# KiCad board berlin.kicad_pcb (continued)
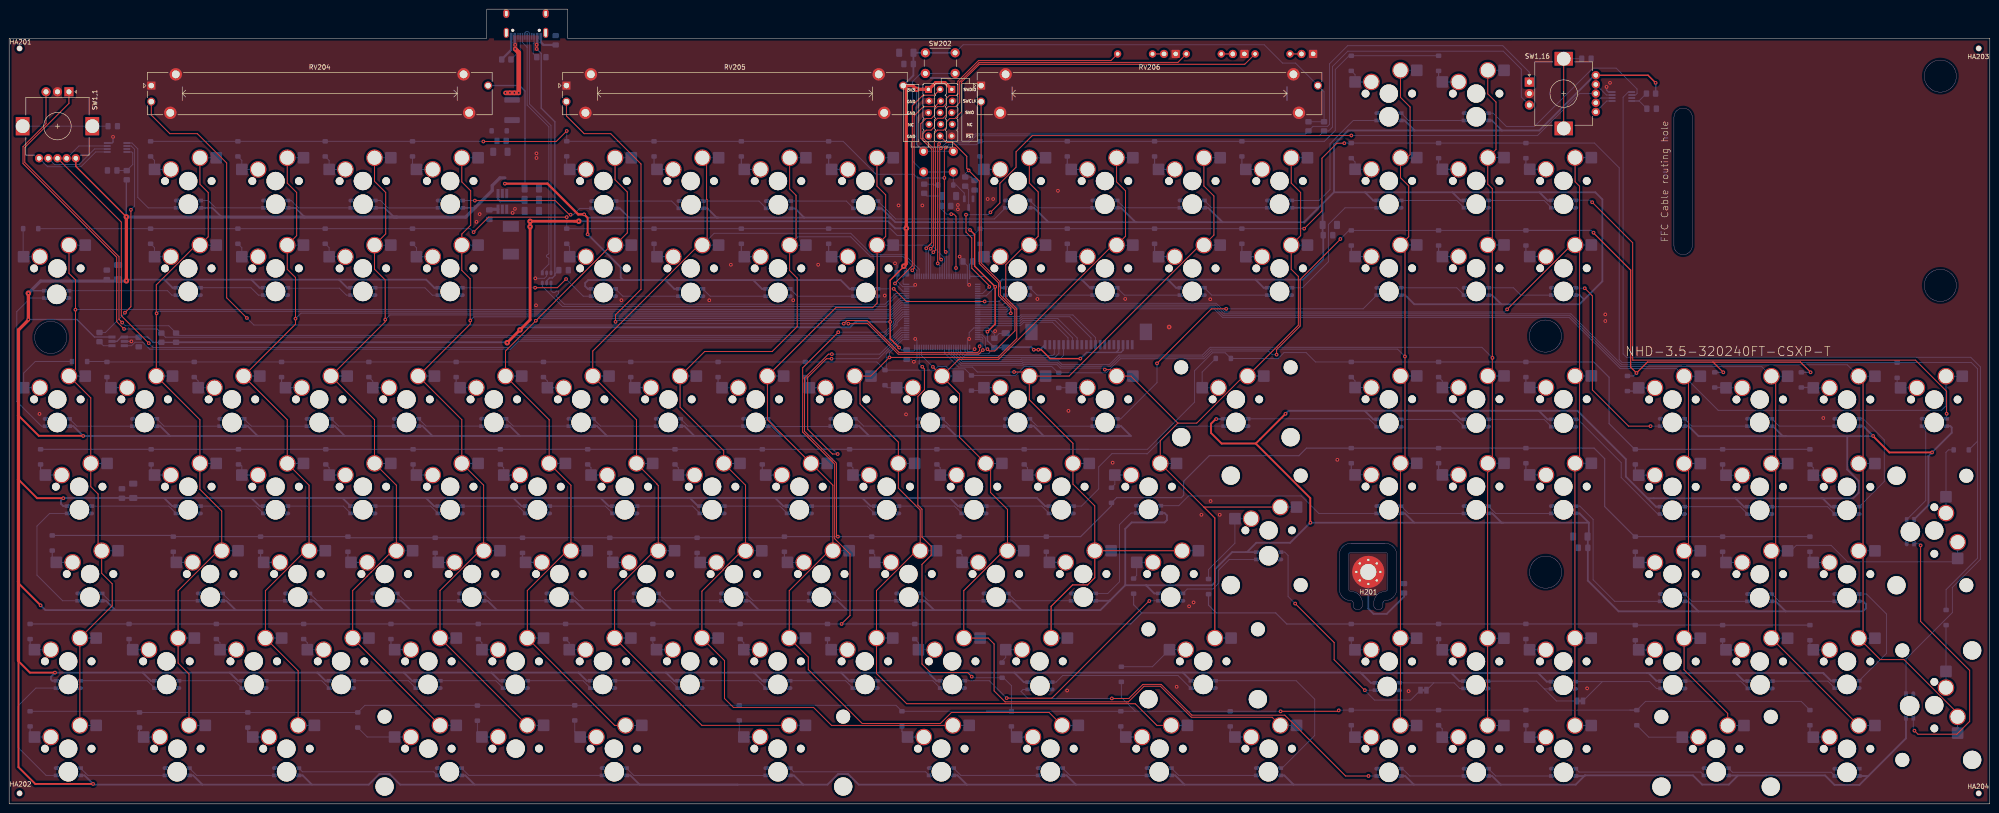
[diagram p0: board, top side]
## Routing (per net, layer and track width the routed paths; a pad name or vN(x,y) marks a point on that pad's centre or on a via; arc(x,y) is an arc through that point) (continued)
  Bottom w0.25: D14.2 28.45,15.46 SW7,2.2 32.89,14.57 ; SW5,19.2 392.94,53.37 D123.2 ; 218.69,16.89 218.69,15.72 SW7,9.2 223.39,14.57 ; 87.66,33.62 SW6,5.2 83.31,34.42 D33.2 ; 397.22,14.54 SW7,18.2 392.94,15.27 D119.2 ; SW4,18.2 373.89,72.42 D116.2 ; 35.27,71.72 SW4,2.2 30.99,72.45 D11.2 ; 316.29,71.75 SW5,15.2 311.91,72.58 311.91,74.3 ; D94.2 292.86,15.34 SW7,14.2 297.21,14.54 ; 297.24,119.38 SW3,14.2 292.86,120.21 D91.2 ; D10.2 21.34,91.63 SW3,2.2 25.75,90.77 ; 247.21,14.57 SW7,10.2 242.57,15.65 242.57,16.89 ; 183.01,119.35 SW2,9.2 178.82,119.98 D55.2 ; D62.2 211.84,120.21 SW2,10.2 216.25,119.35 ; 116.24,52.67 SW5,6.2 112.01,53.34 D38.2 ; 154.34,52.67 150.78,52.67 150.11,53.34 D51.2 ; SW2,16.2 330.96,139.26 D103.2 ; 144.91,138.4 SW1,7.2 140.72,139.03 D41.2 ; 359.12,33.59 SW6,17.2 354.84,34.32 D112.2 ; D97.2 311.91,120.21 SW3,15.2 316.29,119.38 ; 4.57,16.89 4.57,15.53 SW7,1.2 9.08,14.57 ; D48.2 159.77,119.98 SW2,8.2 163.96,119.35 ; D69.2 230.89,120.21 SW2,11.2 ; 330.96,74.3 330.96,72.58 SW5,16.2 335.34,71.75 ; D110.2 354.84,72.42 SW4,17.2 359.12,71.69 ; 235.3,138.4 SW1,11.2 230.89,139.26 D68.2 ; D5.2 9.4,53.56 SW5,1.2 13.84,52.67 ; SW1,12.2 249.94,139.26 D75.2 ; 40.04,52.67 SW5,2.2 35.81,53.34 D12.2 ; D105.2 330.96,91.63 SW4,16.2 ; 230.54,52.67 SW5,12.2 226.31,53.34 D79.2 ; SW1,9.2 178.82,139.03 D54.2 ; D66.2 178.56,34.42 SW6,10.2 ; SW3,6.2 97.54,91.63 D36.2 ; D83.2 268.99,120.21 SW2,13.2 273.4,119.35 ; SW1,8.2 159.77,139.03 D47.2 ; 311.91,159.89 311.91,158.31 312.74,157.48 316.29,157.48 ; 292.86,74.3 292.86,72.58 SW5,14.2 ; 199.58,14.57 SW7,8.2 194.82,15.78 194.82,16.89 ; D42.2 140.72,119.98 SW2,7.2 144.91,119.35 ; D76.2 249.94,120.21 SW2,12.2 254.35,119.35 ; SW5,5.2 92.96,53.34 D32.2 ; D107.2 330.96,15.34 SW7,16.2 335.31,14.54 ; D21.2 52.07,15.65 SW7,3.2 56.71,14.57 ; 3.17,90.59 3.14,90.61 SW3,1.2 6.7,90.77 ; D57.2 164.34,72.45 SW4,9.2 168.62,71.72 ; D61.2 211.84,139.26 SW1,10.2 216.25,138.4 ; 359.12,52.64 SW5,17.2 354.84,53.37 D111.2 ; SW6,15.2 311.91,34.39 D100.2 ; SW4,5.2 88.14,72.45 D31.2 ; SW3,12.2 216.25,90.77 ; SW6,2.2 26.16,34.42 D13.2 ; 266.45,16.89 266.45,15.59 SW7,11.2 271.02,14.57 ; 316.29,138.43 SW2,15.2 311.91,139.26 D96.2 ; D104.2 330.96,120.21 SW3,16.2 335.34,119.38 ; D118.2 373.89,34.32 SW6,18.2 378.17,33.59 ; 63.85,90.77 SW3,4.2 59.44,91.63 D24.2 ; D56.2 154.69,91.63 SW3,9.2 ; D58.2 169.16,53.34 SW5,9.2 ; SW3,11.2 197.2,90.77 ; D4.2 6.86,72.77 SW4,1.2 ; 78.14,52.67 SW5,4.2 73.91,53.34 D26.2 ; SW6,1.2 4.57,34.58 D6.2 ; D82.2 268.99,139.26 SW1,13.2 273.4,138.4 ; D117.2 373.89,53.37 SW5,18.2 378.17,52.64 ; 135.29,52.67 SW5,7.2 131.06,53.34 D45.2 ; 178.15,90.77 SW3,10.2 173.74,91.63 D63.2 ; 59.09,52.67 SW5,3.2 54.86,53.34 D19.2 ; D49.2 135.64,91.63 SW3,8.2 140.05,90.77 ; SW3,17.2 359.12,90.74
  Bottom w0.3: SW3,17.2 354.87,90.04 D109.2 ; D121.2 393.58,90.83 SW3,19.2 ; SW3,18.2 374.53,90.83 D115.2
/C101-Pad1: length 7.9
  Bottom w0.2: LED1,1.8 26.74,142.21 26.97,141.99 26.97,139.47 25.65,138.16 25.64,138.18 23.5,138.18
/C102-Pad1: length 7.9
  Bottom w0.2: 357.24,154.94 355.63,153.33 LED1,16.8 355.68,153.33 357.37,151.64
BOOT0: length 23.9
  Top w0.2: v1(206.61,116.89) 206.61,128.17 206.13,128.64 v1(205.57,128.64)
  Bottom w0.2: R711.1 200.27,132.59 C715.1 203.5,129.65 204.52,128.64 v1(205.57,128.64) ; U501.94 206.58,116.86 v1(206.61,116.89)
BST: length 2
  Bottom w0.6: 104.78,129.4 105.09,129.71
  Bottom w0.7: 105.09,129.71 U702.6
CC1: length 6.4
  Bottom w0.2: 111.53,167.97 111.53,164.4 109.51,162.38
CC2: length 5.5
  Bottom w0.2: R705.2 114.36,163.66 114.36,165.83 114.53,166 114.53,167.97
Chassis: length 18.6
  Bottom w0.4: L711.2 304.37,45.21 300.6,41.44 297.72,41.44 296.57,42.59 H201.1001
Col1: length 316.4
  Top w0.2: 15.43,17.11 15.43,36.16 22.48,43.21 22.48,48.01 20.19,50.29 20.19,55.21 19.4,56.01 19.4,67.59 17.81,69.18 17.81,88.55 13.05,93.31 14.48,94.74 14.48,114.3 13.05,115.73 13.05,121.89
  Bottom w0.2: SW6,1.1 15.43,36.16 ; 20.19,55.21 SW5,1.1 ; U501.69 194.46,110.31 191.99,107.85 14.52,107.85 ; 13.05,93.31 SW3,1.1 ; 15.43,17.11 SW7,1.1 ; SW4,1.1 17.81,74.26 ; 13.05,121.89 SW2,1.1
  vias: v1(14.47,107.79)
Col2: length 330.9
  Top w0.2: 41.62,140.94 41.62,135.16 43.43,133.35 43.43,123.7 41.62,121.89 40.79,121.89 32.1,113.2 32.1,107.06 v1(32.17,106.99) 32.1,106.92 32.1,93.31 41.62,83.79 41.62,68.61 46.39,63.85 46.39,55.21 45.59,55.21 36.86,46.48 36.86,30.7 39.24,28.32 39.24,17.11
  Bottom w0.2: 41.62,140.94 SW1,2.1 ; U501.68 194.52,109.81 192.16,107.45 32.62,107.45 v1(32.17,106.99) ; 36.86,36.16 SW6,2.1 ; 39.24,17.11 SW7,2.1 ; 32.1,93.31 SW3,2.1 ; 41.62,74.26 SW4,2.1 ; 46.39,55.21 SW5,2.1 ; 41.62,121.89 SW2,2.1
Col3: length 303.9
  Top w0.2: 60.67,140.94 60.67,135.41 62.74,133.35 62.74,123.95 60.67,121.89 60.67,116.62 62.48,114.81 v1(62.48,105.84) 62.48,104.65 51.15,93.31 60.67,83.79 60.67,74.26 65.44,69.5 65.44,55.21 64.64,55.21 55.91,46.49 55.91,36.16 63.06,29.02 63.06,17.11
  Bottom w0.2: SW6,3.1 55.91,36.16 ; 60.67,121.89 SW2,3.1 ; U501.67 194.59,109.32 192.32,107.05 63.69,107.05 v1(62.48,105.84) ; SW5,3.1 65.44,55.21 ; 60.67,140.94 SW1,3.1 ; SW3,3.1 51.15,93.31 ; 63.06,17.11 SW7,3.1 ; SW4,3.1 60.67,74.26
Col4: length 290
  Top w0.2: 79.72,140.94 79.72,135.79 82.17,133.35 82.17,124.33 79.72,121.89 79.72,116.62 82.04,114.3 82.04,105.66 v1(82.07,105.64) 82.04,105.62 82.04,105.16 70.2,93.31 79.72,83.79 79.72,74.26 84.49,69.5 84.49,55.21 83.64,55.21 80.24,51.81 80.24,51.8 79.01,50.57 79,50.57 78.07,49.65 78.07,49.63 74.96,46.52 74.96,36.16 94,17.12 94.01,17.12
  Bottom w0.2: U501.66 194.65,108.81 192.49,106.65 83.08,106.65 v1(82.07,105.64) ; SW6,4.1 74.96,36.16 ; 97.11,17.12 93.56,17.12 ; SW4,4.1 79.72,74.26 ; 84.49,55.21 SW5,4.1 ; 79.72,121.89 SW2,4.1 ; 70.2,93.31 SW3,4.1 ; 79.72,140.94 SW1,4.1
Col5: length 270.5
  Top w0.2: 98.77,140.94 98.77,135.67 100.71,133.73 100.71,126.24 98.77,124.3 98.77,116.36 100.58,114.55 100.58,105.47 v1(100.62,105.44) 100.62,104.68 89.25,93.31 98.77,83.79 98.77,74.26 103.54,69.5 103.54,55.21 102.59,55.21 102.59,55.1 94.01,46.52 94.01,36.16 113.04,17.13 113.07,17.13
  Bottom w0.2: 103.54,55.21 SW5,5.1 ; SW4,5.1 98.77,74.26 ; SW3,5.1 89.25,93.31 ; 94.01,36.16 SW6,5.1 ; SW7,5.1 113.07,17.13 ; 98.77,121.89 SW2,5.1 ; v1(100.62,105.44) 101.43,106.25 192.65,106.25 194.72,108.32 U501.65 ; 98.77,140.94 SW1,5.1
Col6: length 263.9
  Top w0.2: 134.49,17.11 132.11,17.11 113.06,36.16 113.06,46.52 121.69,55.15 121.69,55.21 122.59,55.21 122.59,69.5 117.82,74.26 117.82,83.79 108.3,93.31 108.3,98.77 v1(114.92,105.39) 131.41,121.89 132.21,121.89 134.87,124.56 134.87,133.48 132.21,136.14 132.21,140.94
  Bottom w0.2: 122.59,55.21 SW5,6.1 ; 132.21,140.94 SW1,6.1 ; U501.64 194.82,107.81 192.85,105.85 115.38,105.85 v1(114.92,105.39) ; SW3,6.1 108.3,93.31 ; SW4,6.1 117.82,74.26 ; 132.21,121.89 SW2,6.1 ; SW6,6.1 113.06,36.16 ; 134.49,17.11 SW7,6.1
Col7: length 250.5
  Top w0.2: 170.31,17.12 151.16,17.12 132.11,36.16 132.11,46.51 140.81,55.21 141.64,55.21 141.64,69.44 141.35,69.72 141.35,69.79 136.87,74.26 136.87,83.79 127.35,93.31 127.35,98.77 150.46,121.89 151.26,121.89 152.3,122.93 152.3,131.8 152.19,131.91 152.19,140.01 151.26,140.94
  Bottom w0.2: SW6,7.1 132.11,36.16 ; U501.78 198.58,116.63 195.42,119.79 190.23,119.79 188.31,119.79 183.64,124.46 153.83,124.46 151.26,121.89 SW2,7.1 ; 151.26,140.94 SW1,7.1 ; SW4,7.1 136.87,74.26 ; 173.86,17.12 170.31,17.12 ; SW5,7.1 141.64,55.21 ; SW3,7.1 127.35,93.31
Col8: length 261.4
  Top w0.2: 205.93,17.11 179.44,17.11 175.52,21.04 158.03,21.04 156.08,22.99 156.08,31.24 151.16,36.16 151.16,46.39 155.79,51.02 155.79,51.09 159.92,55.21 160.69,55.21 160.69,69.5 155.92,74.26 155.92,76.99 146.4,86.52 146.4,93.31 151.76,98.68 166.5,98.68 171.96,104.14 171.96,114.68 170.31,116.33 170.31,121.89 171.7,123.29 171.7,132.75 170.31,134.15 170.31,140.94
  Bottom w0.2: 146.4,93.31 SW3,8.1 ; 170.31,140.94 SW1,8.1 ; SW7,8.1 205.93,17.11 ; SW6,8.1 151.16,36.16 ; SW2,8.1 170.31,121.89 172.12,123.7 183.64,123.7 187.95,119.39 190.39,119.39 190.39,119.39 195.06,119.39 198.08,116.37 U501.77 ; SW4,8.1 155.92,74.26 ; 164.24,55.21 160.69,55.21
Col9: length 243.6
  Top w0.2: 189.36,140.94 189.36,134.75 191.26,132.84 191.26,123.79 189.36,121.89 189.39,121.85 189.39,109.22 188.42,108.24 180.38,108.24 165.45,93.31 165.45,83.79 174.97,74.26 174.99,74.26 179.74,69.51 179.74,55.21 178.94,55.21 170.21,46.49 170.21,36.16 174.37,32 174.37,29.29 186.15,17.51 203.19,17.51 205.6,19.92 226.94,19.92 229.74,17.11
  Bottom w0.2: SW3,9.1 165.45,93.31 ; 174.97,74.26 SW4,9.1 ; SW6,9.1 170.21,36.16 ; 229.74,17.11 SW7,9.1 ; SW5,9.1 179.74,55.21 ; 189.36,121.89 SW2,9.1 201.27,121.89 204.08,119.08 U501.89 ; 189.36,140.94 SW1,9.1
Col10: length 258.5
  Top w0.2: 253.56,17.11 250.44,17.11 245.72,21.84 195.84,21.84 189.26,28.42 189.26,46.52 197.94,55.2 197.94,55.21 198.79,55.21 198.79,64.1 194.02,68.87 194.02,78.9 185.67,87.26 185.67,92.15 184.5,93.31 187.98,93.31 192.05,97.38 v1(192.09,97.38) 215.74,97.38 219.87,101.51 219.87,107.99 217.47,110.39 217.47,117.6 221.76,121.89 222.6,121.89 224.54,123.82 224.54,133.48 222.6,135.41 222.6,140.94
  Bottom w0.2: 253.56,17.11 SW7,10.1 ; U501.51 195,101.31 192.09,98.4 v1(192.09,97.38) ; 222.6,121.89 SW2,10.1 ; SW5,10.1 198.79,55.21 ; SW4,10.1 194.02,74.26 ; 184.5,93.31 SW3,10.1 ; 222.6,140.94 SW1,10.1 ; SW6,10.1 189.26,36.16
Col11: length 256.9
  Top w0.2: v1(201.57,95.31) 201.57,95.3 203.55,93.31 ; 203.55,93.31 203.55,93.25 207.37,89.43 207.37,79.97 214.17,73.17 214.17,67.9 217.84,64.23 217.84,55.21 217.02,55.21 208.31,46.51 208.31,36.16 213.63,36.16 214.92,34.88 214.92,24.64 217.32,22.24 244.22,22.24 247.63,25.65 251.21,25.65 257.97,18.89 275.59,18.89 277.37,17.11 ; 203.55,93.31 207.22,96.98 215.91,96.98 240.81,121.89 241.65,121.89 243.59,123.82 243.59,133.73 241.65,135.67 241.65,140.94
  Bottom w0.2: 277.37,17.11 SW7,11.1 ; 203.55,93.31 SW3,11.1 ; 241.65,121.89 SW2,11.1 ; SW6,11.1 208.31,36.16 ; 241.65,140.94 SW1,11.1 ; SW4,11.1 213.07,74.26 ; SW5,11.1 217.84,55.21 ; U501.47 199.08,97.8 v1(201.57,95.31)
Col12: length 205.7
  Top w0.2: 222.6,93.31 222.6,88.17 232.12,78.64 232.12,69.75 236.89,64.99 236.89,55.21 255.94,55.21 ; 222.6,93.31 231.29,93.31 259.56,121.59 259.56,121.89 260.7,121.89 262.89,124.08 262.89,132.59 260.7,134.78 260.7,140.94 ; 222.6,93.31 221.72,94.2 219.29,94.2 v1(219.28,94.21)
  Top w0.25: 227.36,36.16 227.36,43.09 232.04,47.76 235.33,47.76 236.89,49.32 236.89,55.21
  Bottom w0.2: v1(219.28,94.21) 211.25,94.21 210.18,95.28 207.15,95.28 204.08,98.36 U501.37 ; 222.6,93.31 SW3,12.1 ; SW7,12.1 227.36,36.16 ; 232.12,74.26 SW4,12.1 ; 260.7,140.94 SW1,12.1 ; 236.89,55.21 SW5,12.1 ; 260.7,121.89 SW2,12.1 ; 255.94,55.21 SW6,12.1
Col13: length 226.6
  Top w0.2: 279.75,140.94 279.75,135.41 281.81,133.35 281.81,123.95 279.75,121.89 279.75,116.62 281.31,115.06 281.31,104.39 270.22,93.31 269.39,93.31 259.13,83.06 255.02,83.06 ; 255.02,83.06 244.76,93.31 241.65,93.31 240.23,94.73 v1(239.09,94.73) ; 255.02,83.06 251.17,79.22 251.17,74.26 260.7,64.74 277.37,64.74
  Top w0.25: 263.08,36.16 263.08,62.36 260.7,64.74
  Bottom w0.2: SW3,13.1 241.65,93.31 ; 279.75,140.94 SW1,13.1 ; 277.37,64.74 SW6,13.1 ; 279.75,121.89 SW2,13.1 ; 270.22,93.31 SW4,13.1 ; 251.17,74.26 SW5,13.1 ; v1(239.09,94.73) 238.77,95.05 229.39,95.05 228.63,95.81 221.36,95.81 221.23,95.68 207.67,95.68 205.08,98.27 U501.35 ; SW7,13.1 263.08,36.16
Col14: length 277.3
  Top w0.2: 303.59,160.02 303.59,154.11 305.69,152.02 305.69,141.6 305.05,140.97 303.59,140.97 303.59,136.59 305.39,134.79 305.39,123.72 303.59,121.92 304.58,120.93 304.58,97.6 v1(304.57,97.59) 304.58,97.58 304.58,94.33 303.59,93.34 304.58,92.36 304.58,75.28 303.58,74.28 303.58,17.1 303.56,17.08
  Bottom w0.2: 303.56,17.08 SW7,14.1 ; 307.14,36.17 303.61,36.17 ; U501.34 205.58,98.34 207.84,96.08 221.06,96.08 221.19,96.21 228.8,96.21 229.56,95.45 240.26,95.45 242.3,97.5 260.54,97.5 262.24,99.19 302.97,99.19 v1(304.57,97.59) ; 303.59,121.92 SW3,14.1 ; SW4,14.1 303.59,93.34 ; 307.15,160.02 303.59,160.02 ; SW5,14.1 303.59,74.29 ; 307.24,140.89 303.69,140.89
Col15: length 292.3
  Top w0.2: 322.64,160.02 322.64,154.88 324.44,153.08 324.44,142.77 322.64,140.97 322.64,135.19 323.63,134.21 323.63,122.91 322.64,121.92 323.63,120.93 323.63,97.33 v1(323.67,97.29) 323.63,97.25 323.63,94.33 322.64,93.34 323.63,92.36 323.63,75.28 ; 322.61,17.08 322.61,72.29 323.63,73.31
  Bottom w0.2: 322.64,140.97 SW2,15.1 ; SW4,15.1 322.64,93.34 ; v1(323.67,97.29) 321.37,99.59 262.07,99.59 260.38,97.89 242.13,97.89 240.09,95.85 229.72,95.85 228.96,96.61 221.03,96.61 220.9,96.48 208,96.48 206.08,98.4 U501.33 ; 322.61,36.13 SW6,15.1 ; 322.64,74.29 SW5,15.1 ; SW7,15.1 322.61,17.08 ; 322.64,160.02 326.2,160.02 ; 322.64,121.92 SW3,15.1
Col16: length 285.1
  Top w0.2: 341.69,121.92 342.68,120.93 342.68,94.33 341.69,93.34 342.68,92.36 342.68,75.28 341.66,74.26 341.66,17.08 ; 341.69,121.92 340.91,121.92 v1(326.86,107.87) ; 341.69,121.92 342.68,122.91 342.68,134.71 341.69,135.7 341.69,140.97
  Bottom w0.2: U501.10 216.72,108.81 217.1,109.19 263.38,109.19 265.28,107.29 326.28,107.29 v1(326.86,107.87) ; 341.69,121.92 SW3,16.1 ; 341.69,74.29 SW5,16.1 ; 341.66,17.08 SW7,16.1 ; SW4,16.1 341.69,93.34 ; 341.69,140.97 SW2,16.1 ; SW6,16.1 341.66,36.14
Col17: length 331.5
  Top w0.2: 365.47,93.28 366.43,92.33 366.43,75.19 365.47,74.23 366.43,73.28 366.43,56.14 365.47,55.18 366.43,54.23 366.43,37.09 365.47,36.13 365.47,29.24 375,19.72 375,17.08
  Bottom w0.2: 365.47,93.28 372.92,85.84 421.63,85.84 422.62,86.83 422.62,93.28 SW2,17.1 ; 365.47,93.28 SW3,17.1 ; 365.47,93.28 363.81,94.95 351.55,94.95 340.41,106.09 264.78,106.09 262.88,107.99 218.37,107.99 217.69,107.31 U501.13 ; 365.47,55.18 SW5,17.1 ; SW7,17.1 375,17.08 ; 365.47,74.23 SW4,17.1 ; 365.47,36.13 SW6,17.1
Col18: length 326.9
  Top w0.2: 403.57,17.08 384.52,36.13 385.48,37.09 385.48,54.23 384.52,55.18 385.48,56.14 385.48,73.28 384.52,74.23 385.48,75.19 385.48,92.33 384.52,93.28
  Bottom w0.2: 384.52,55.18 SW5,18.1 388.76,55.18 389.97,56.39 397.57,56.39 401.17,52.79 424.42,52.79 SW2,18.1 425.16,57.09 ; 403.57,17.08 SW7,18.1 ; 384.52,74.23 SW4,18.1 ; 384.52,36.13 SW6,18.1 ; U501.12 217.63,107.82 218.2,108.39 263.05,108.39 264.95,106.49 340.57,106.49 351.68,95.38 382.42,95.38 384.52,93.28 SW3,18.1
Col19: length 305.3
  Top w0.2: 425.16,18.99 425.16,19.77 413.47,31.46 408.3,31.46 404.97,34.79 404.92,34.79 403.57,36.13 404.53,37.09 404.53,54.23 403.57,55.18 404.53,56.14 404.53,73.28 403.57,74.23 404.53,75.19 404.53,92.33 403.57,93.28
  Bottom w0.2: SW4,19.1 403.57,74.23 ; SW3,19.1 403.57,93.28 401.08,95.78 351.89,95.78 340.78,106.89 265.11,106.89 263.21,108.79 218.04,108.79 217.56,108.32 U501.11 ; 403.57,55.18 SW5,19.1 ; 425.16,18.99 SW2,19.1 ; SW6,19.1 403.57,36.13
D+: length 83
  Bottom w0.2: U701.4 118.23,111.96 118.66,111.53 119.06,111.53 119.37,111.84 119.87,111.84 119.87,111.24 119.45,110.83 119.45,110.69 121.15,108.99 191.13,108.99 193.45,111.31 U501.71
D-: length 83
  Bottom w0.2: U501.70 193.63,110.82 191.29,108.48 120.75,108.48 116.33,112.89 116.33,113.62
Dbus+: length 55.7
  Bottom w0.2: U701.3 118.23,147.96 113.53,152.67 113.53,168.17 113.26,168.44 112.79,168.44 112.52,168.17 112.52,167.97
Dbus-: length 58.6
  Bottom w0.2: 116.33,115.82 116.33,116.31 117.77,117.74 117.77,118.94 arc(117.69,119.12) 117.51,119.2 arc(117.32,119.28) 117.25,119.46 117.25,119.54 arc(117.32,119.72) 117.51,119.8 arc(117.69,119.88) 117.77,120.06 117.77,147.69 113.03,152.43 113.03,165.04 112.03,166.04 112.03,167.97 ; 113.03,167.97 113.03,165.04
Interrupt1,1: length 216.1
  Top w0.2: SW1,1.SW 24.47,126.91 24.47,106.49 v1(30.47,100.49)
  Bottom w0.2: U501.56 194.56,103.81 192.09,101.34 110.99,101.34 109.22,99.57 31.39,99.57 v1(30.47,100.49)
Interrupt1,16: length 173.8
  Top w0.2: v1(214.12,129.03) 216.18,131.09 216.18,135.36 219.71,138.89 219.71,142.24 223.27,145.8 v1(292.86,145.8) ; v1(208.79,128.52) 208.79,124.71 210.06,123.44 210.06,116.84 213.87,113.03 v1(213.87,112.78)
  Bottom w0.2: v1(208.79,128.52) 213.61,128.52 v1(214.12,129.03) ; v1(292.86,145.8) 333.5,145.8 342.65,154.94 SW1,16.SW ; v1(213.87,112.78) 212.41,111.31 U501.5
LCD-CS: length 22.9
  Bottom w0.2: U501.19 220.68,104.32 221.43,105.06 227.66,105.06 231.06,101.66 J203.6
LCD-INT: length 24
  Bottom w0.2: U501.18 220.62,104.81 221.26,105.46 228.23,105.46 232.06,101.63 J203.7
LCD-PD: length 25.2
  Bottom w0.2: U501.17 220.55,105.32 221.1,105.86 228.83,105.86 233.06,101.63 J203.8
LCD-SPI2: length 28.3
  Bottom w0.2: J203.11 236.06,101.65 231.45,106.26 220.93,106.26 220.49,105.81 U501.16
LCD-SPI3: length 29.5
  Bottom w0.2: J203.12 237.06,101.7 232.1,106.66 220.76,106.66 220.42,106.31 U501.15
NRST: length 57.3
  Top w0.2: J202.10 204.51,144.32 205.89,144.32 208.97,141.24 208.97,138.59 v1(209.37,138.19) 211.68,135.87 211.68,117.84 215.87,113.65 215.87,110.86 218.57,108.16 v1(218.57,107.01)
  Bottom w0.2: v1(209.37,138.19) 208.62,137.44 R703.1 209.9,136.74 C711.1 ; v1(218.57,107.01) 218.06,107.01 217.86,106.82 U501.14
RGBLED: length 173.4
  Bottom w0.2: U501.55 194.63,103.31 192.25,100.94 111.16,100.94 109.39,99.17 30.69,99.17 29.17,100.69 27.47,100.69 26.71,99.94 25.13,99.94
Row1: length 331.8
  Top w0.2: v1(103.47,144.49) 119.37,144.49 v1(121.67,146.79) ; v1(204.37,120.39) 204.07,120.69 v1(204.07,136.54) 204.07,142.85 v1(204.39,143.18)
  Bottom w0.2: D8.1 D15.1 D22.1 D28.1 103.43,144.52 v1(103.47,144.49) ; v1(204.07,136.54) 198.2,136.54 197.4,137.34 189.17,137.34 181.98,144.52 D54.1 D47.1 D41.1 140.7,144.54 D34.1 v1(121.67,146.79) ; D95.1 D89.1 292.37,163.19 289.37,160.19 289.37,146.89 287,144.52 D82.1 D75.1 D68.1 D61.1 211.1,143.79 205.01,143.79 v1(204.39,143.18) ; v1(204.37,120.39) 204.58,120.17 U501.90
Row2: length 555
  Top w0.2: v1(291.34,144.12) 289.74,144.12 286.46,140.84 286.46,129.36 v1(282.57,125.47) ; v1(101.35,124.71) 104.62,127.99 v1(121.67,127.99)
  Bottom w0.2: 429.51,79.12 429.51,94.91 428.14,96.29 351.95,96.29 351.33,96.91 351.33,138.74 345.92,144.14 D103.1 D96.1 D90.1 291.36,144.14 v1(291.34,144.12) ; 429.51,79.12 429.51,53.59 422.66,46.74 D120.1 ; 429.51,79.12 D114.1 ; v1(121.67,127.99) D35.1 D42.1 D48.1 D55.1 178.83,125.49 192.27,125.49 193.77,123.99 205.08,123.99 ; D2.1 30.86,125.48 D9.1 D16.1 D23.1 D29.1 100.59,125.47 v1(101.35,124.71) ; 205.08,123.99 205.08,123.98 U501.91 ; 205.08,123.99 210.35,123.99 D62.1 D69.1 D76.1 D83.1 v1(282.57,125.47)
Row3: length 445.9
  Top w0.2: v1(276.57,97.99) 276.57,99.09 281.7,104.23 281.7,114.39 290.47,123.16 v1(290.47,123.22)
  Top w0.25: 371.81,96.36 v1(374.04,94.13) ; 371.81,96.36 390.86,96.36 v1(393.09,94.13) ; 371.81,96.36 357.48,96.36 v1(355.09,93.98) 353.82,95.25 353.82,116.43 345.72,124.54 v1(345.72,124.6)
  Bottom w0.2: D3.1 21.24,96.49 D10.1 D17.1 D24.1 D30.1 D36.1 D43.1 D49.1 D56.1 D63.1 189.33,96.39 D70.1 ; 292.86,125.09 292.74,124.97 292.23,124.97 v1(290.47,123.22) ; 292.86,125.09 330.96,125.09 ; 292.86,125.09 292.86,124.97 ; U501.52 194.93,101.82 191.39,98.27 191.39,97.38 191.39,97.38 191.39,94.89 D70.1 ; D70.1 201.88,94.61 202.68,95.41 204.44,95.41 204.97,94.88 208.54,94.88 D77.1 219.56,93.45 221.52,95.41 227.5,95.41 228.88,94.03 239.4,94.03 242.46,97.1 260.71,97.1 262.4,98.79 274.79,98.79 275.59,97.99 v1(276.57,97.99)
  Bottom w0.25: 330.96,125.09 345.22,125.09 v1(345.72,124.6) ; D109.1 354.46,93.34 v1(355.09,93.98)
  Bottom w0.3: D121.1 v1(393.09,94.13) ; D115.1 v1(374.04,94.13)
Row4: length 464.9
  Top w0.2: v1(179.45,97.1) 178.33,97.1 174.24,93.01 174.24,81.71 179.65,76.31 v1(180.8,76.31)
  Bottom w0.2: 176.35,77.34 179.76,77.34 v1(180.8,76.31) ; v1(179.45,97.1) 189.65,97.1 194.87,102.31 U501.53 ; D92.1 285.05,96.39 283.01,98.44 278.19,98.44 276.91,97.16 D85.1 265.36,98.39 262.57,98.39 258.67,94.49 258.67,87.63 248.38,77.34 235.44,77.34
  Bottom w0.25: 235.44,77.34 6.86,77.34 ; D92.1 D98.1 D105.1 345.76,96.39 349.12,93.04 349.12,82.94 354.71,77.34 392.94,77.34
Row5: length 472.1
  Top w0.2: v1(180.84,58.29) 180.54,58.59 180.54,74.28 173.55,81.27 173.55,92.89 178.76,98.1 v1(179.51,98.1)
  Bottom w0.2: U501.54 194.69,102.81 189.97,98.1 v1(179.51,98.1)
  Bottom w0.25: D5.1 35.56,58.55 D12.1 D19.1 D26.1 74.17,58.04 D32.1 D38.1 D45.1 D51.1 168.91,58.04 D58.1 v1(180.83,58.29) D65.1 D72.1 D79.1 233.81,58.29 240.54,65.02 240.54,65.66 241.67,66.79 255.77,66.79 256.29,67.31 256.29,70.36 261.88,75.95 281.44,75.95 283.08,77.6 D93.1 D99.1 D106.1 345.84,77.6 348.15,75.29 348.15,64.86 354.71,58.29 D111.1 D117.1 D123.1
Row6: length 489.1
  Top w0.2: v1(181.63,39.24) 183.48,41.09 183.48,54.49 180.14,57.84 180.14,74.12 173.15,81.1 173.15,95.13 v1(180.92,102.89)
  Bottom w0.2: v1(180.92,102.89) 191.07,102.89 192.94,104.77 192.94,105.28 194.98,107.31 U501.63
  Bottom w0.25: D6.1 D13.1 D20.1 D27.1 D33.1 D39.1 D46.1 D52.1 D59.1 D66.1 v1(181.63,39.24) D73.1 244.73,39.24 247.14,41.66 ; D124.1 D118.1 D112.1 354.58,39.24 D100.1 311.9,39.23 278.78,39.23 276.35,41.66 263.4,41.66 ; 247.14,41.66 245.36,43.43 D80.1 ; 247.14,41.66 263.4,41.66 ; 263.4,41.66 261.71,43.35 D87.1
Row7: length 505.1
  Top w0.2: v1(290.13,20.39) 289.93,20.19 277.45,20.19 v1(277.44,20.18) ; v1(199.25,95.35) 199.71,94.89 199.71,90.31 198.29,88.89 198.29,65.17 199.19,64.27 199.19,58.2 201.2,56.19 201.2,54.25 199.19,52.24 199.19,30.5 201.04,28.65 209.14,28.65 v1(210.04,27.75)
  Bottom w0.2: D60.1 213.23,20.19 ; D60.1 218.69,25.78 216.98,27.5 210.29,27.5 v1(210.04,27.75) ; D60.1 D67.1 245.75,20.19 ; D60.1 213.23,20.19 ; 213.23,20.19 D53.1 193.52,21.49 77.62,21.49 76.07,19.94 D21.1 D14.1 28.19,20.19 D7.1 ; v1(290.13,20.39) 290.18,20.45 D94.1 D101.1 D107.1 353.69,20.45 ; U501.48 198.58,96.01 v1(199.25,95.35) ; D119.1 391.03,22.35 357.08,22.35 355.17,20.45 353.69,20.45 ; 245.75,20.19 242.69,23.25 D88.1 ; 245.75,20.19 D74.1 277.42,20.19 v1(277.44,20.18) ; 355.09,20.45 353.69,20.45
SWCLK: length 42.4
  Top w0.2: v1(197.07,116.39) 197.47,116.79 197.47,150.08 199.47,152.09 201.97,152.09 203.12,153.25 203.12,153.33
  Bottom w0.2: v1(197.07,116.39) 197.58,115.88 U501.76
SWDIO: length 51.1
  Top w0.2: v1(193.29,113.52) 193.29,113.61 197.07,117.38 197.07,152.26 199.4,154.59 201.87,154.59 J202.2
  Bottom w0.2: U501.72 195.03,111.82 193.33,113.52 v1(193.29,113.52)

## Copper pours and planes (outline as drawn; the poured copper is in the pictures)
+3V3 on Bottom: 113.79,134.87 113.79,128.52 114.68,127.63 114.68,121.41 111.63,118.36 107.7,118.36 107.31,118.74 107.31,121.03 107.7,121.41 111.25,121.41 112.27,122.3 112.27,127.25 111.38,128.14 111.38,134.87 112.01,135.51 113.16,135.51
+5V on Bottom: 112.01,149.73 112.01,147.57 111,146.56 111,141.65 109.98,140.69 109.98,132.33 109.73,132.1 107.29,132.1 107.14,132.21 107.14,135.79 107.44,136.09 107.44,149.73 108.2,150.49 111.25,150.49
GND on Top, Bottom: 120.22,166.98 432.18,167 432.18,0 0,0 0,167 105.79,167 105.79,166.55 120.22,166.55
VBUS on Top, Bottom: 115.52,164.26 114.52,164.26 114.52,166.16 110.92,166.16 110.92,164.26 109.92,164.26 109.92,167.66 115.52,167.66
VBUS on Bottom: 112.01,155.19 112.01,153.16 111.25,152.4 108.2,152.4 107.44,153.16 107.44,155.19 108.2,155.96 111.25,155.96
Chassis on Top, Bottom: 300.57,45.91 298.97,45.91 298.97,44.01 294.17,44.01 294.17,45.31 292.47,45.31 292.47,54.64 300.57,54.64
S on Bottom: 120.2,171.75 120.2,166.55 105.8,166.55 105.8,171.55 107.8,173.35 117.6,173.35
SW on Bottom: 107.98,128.27 108.59,127.51 111.25,127.51 111.63,127.13 111.63,124.84 111.25,124.46 107.7,124.46 107.31,124.84 107.31,126.11 106.81,126.62 103.88,126.61 103.89,128.27 107.26,128.27 107.26,130.81 107.98,130.81

## Text on the board
B.Silkscreen: The holy / GND trinity | berlin keyboard / pcb v0.7 (dev) / 9hax & hinameplays 2022
User.Comments: ye water kettle, / brought to you by resistance
User.Drawings: NHD-3.5-320240FT-CSXP-T / Res. Touch EVE2 TFT Display / connected via 20x1.00mm FFC connector / (mounting holes modified)
F.Silkscreen: FFC Cable routing hole | NHD-3.5-320240FT-CSXP-T
